# Altium PCB MB1261.PcbDoc (part 2 of 6) (continued)
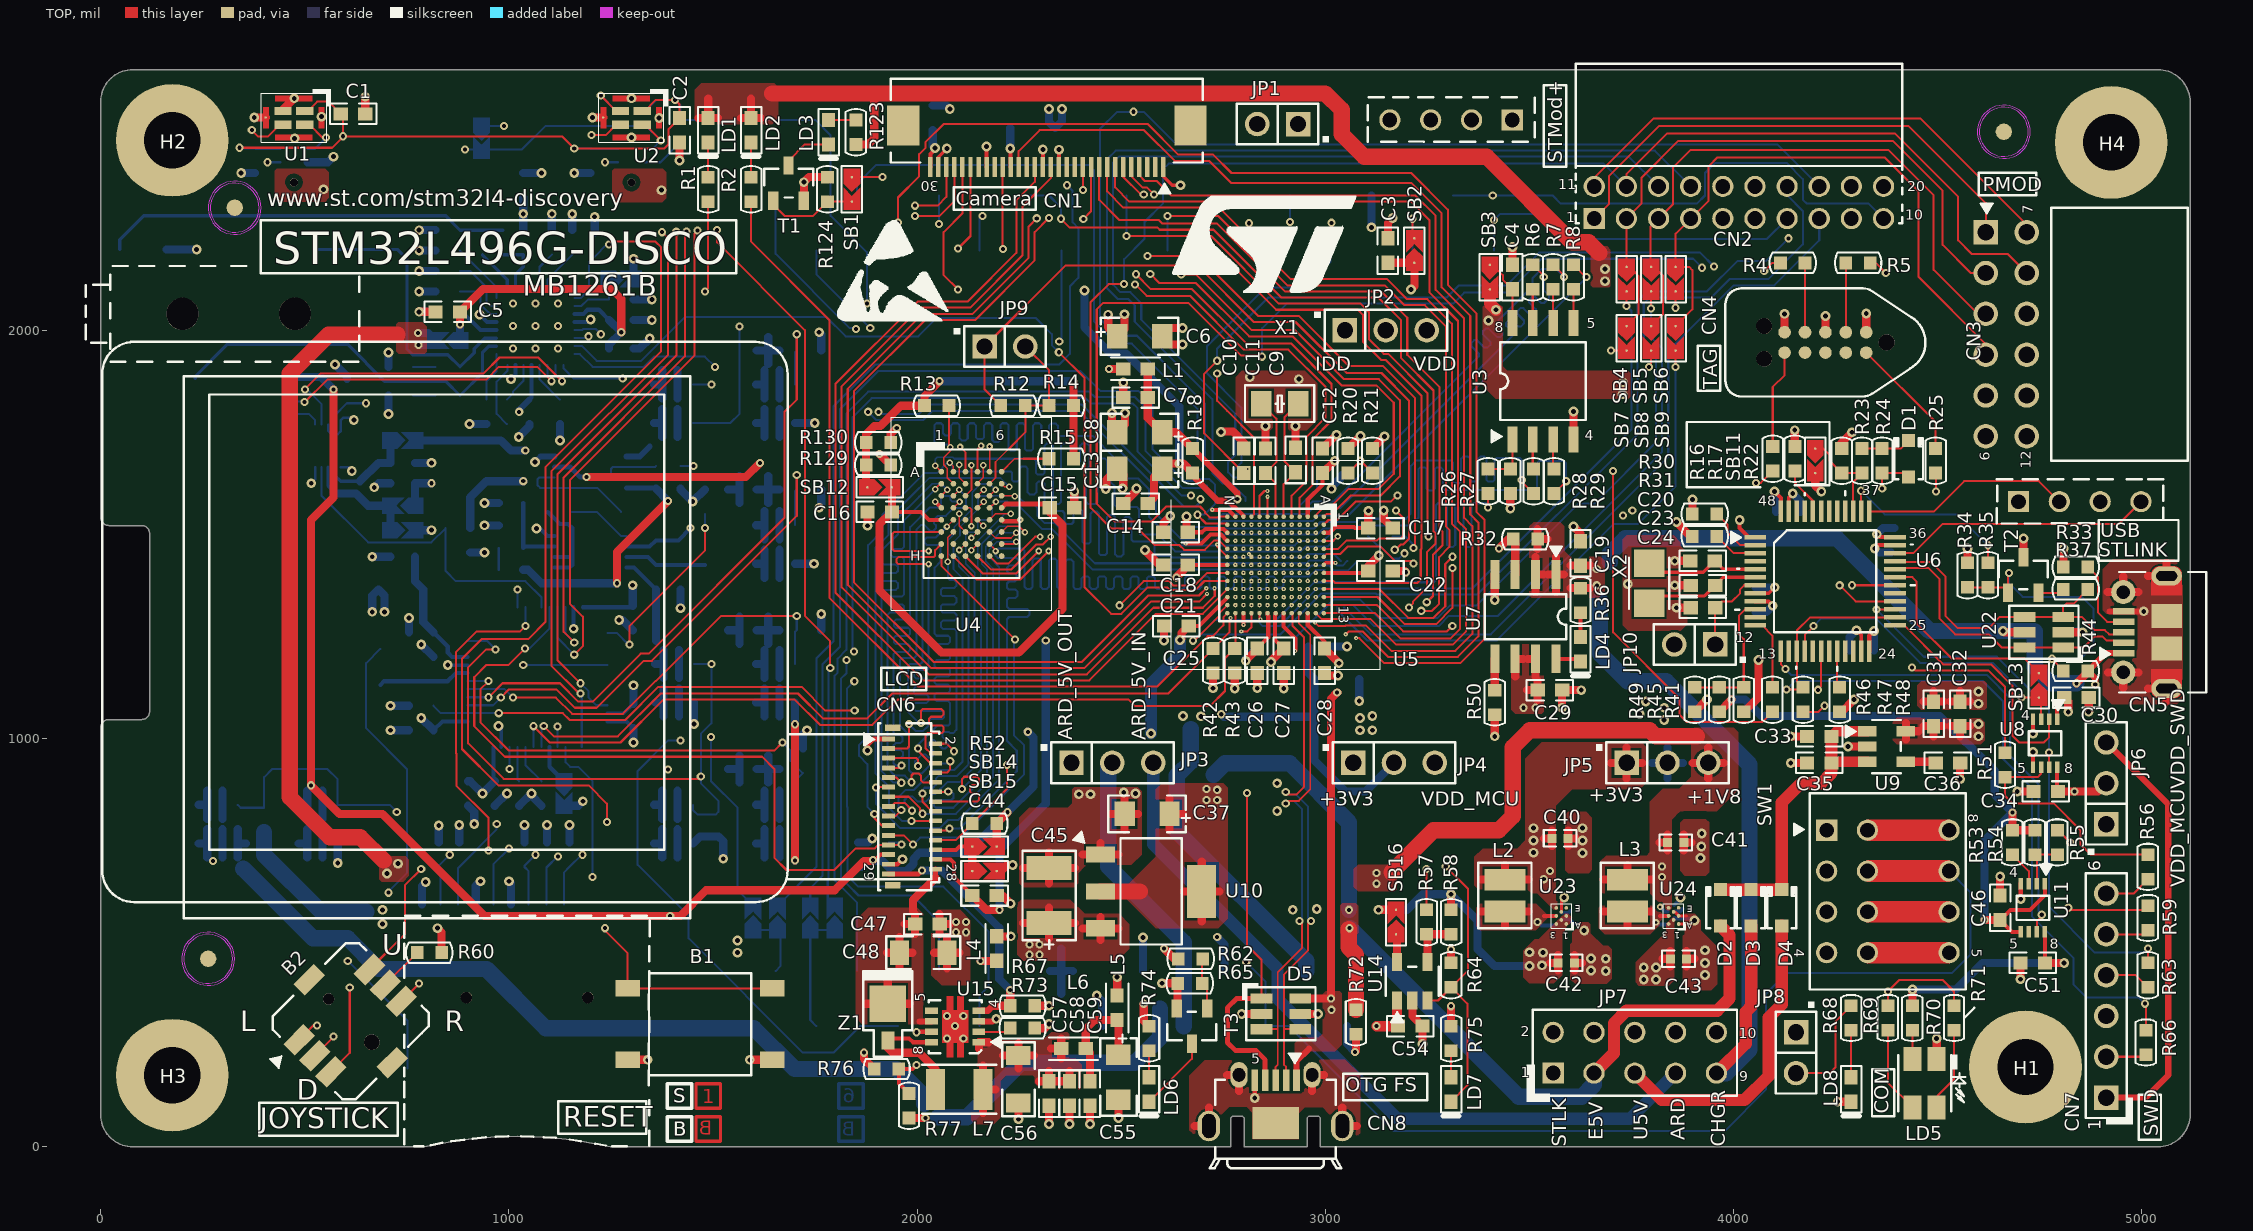
[diagram p0: TOP view]
## Nets (pads, with @x,y where several pads share a name; then routed paths per layer and width w, separated by ;. In a path a pad name is that pad's centre, name@x,y a point inside that pad or via, vN(x,y) a via of type N, cw(c..) or ccw(c..) an arc to the next point about the centre after c; other vN are vias at no path point) (continued)
  BOTTOM w40: 349,681 520,510 605,510 680,435 945,435 1090,290 1600,290 1700,190 1950,190 2017,123 2017,105 ; 2052,72 2122,72 2255,205 2533.1,205 2595,266.9 2595,338
  other v1: 3535,655 3550,675
  other v2: 3510,720 3510,750 3510,780 3685,2120 3685,2150
3V3_SW: L2.1 U12.A1 U23.C3 | length 227.1
  TOP w9: 3535,565 U23.C3@3565.82,565
  TOP w20: 3381.98,576 L2.1@3440,576 ; 3440,541.48 L2.1@3440,576 ; 3498.02,576 L2.1@3440,576
  BOTTOM w9: v1(3520,550) 3528.62,541.38 U12.A1@3562.13,541.38
5V_STL: D1.1 R24.2 SW1.3 | length 1293.9
  TOP w5: v1(4364.1,1611.9) R24.2@4364.1,1650 4419.81,1650 D1.1@4429.1,1640.71
  L3_SIG w4: SW1.3@4228.1,575 4228.1,596.9 4115,710 4115,1055 4230,1170 4230,1270 4320,1360 4320,1567.8 v1(4364.1,1611.9)
5V_USB_CHARGER: C19.2 C105.1 CN5.1 D3.1 JP7.9 R32.1 R36.2 R44.1 U7.1 U7.2 U22.5 | length 3826.6
  TOP w15: v1(4886,1132) 4886,1147.1 R44.1@4868.1,1165 4911.92,1208.82 CN5.1@4955.7,1208.82
  TOP w20: 3515,1358.38 U7.2@3515,1401.4 ; 3515,1444.42 U7.2@3515,1401.4 ; 3520,1464.08 R32.1@3520,1488.1 ; 3520,1512.12 R32.1@3520,1488.1 ; 3534.02,1401.4 U7.2@3515,1401.4 ; 3543.52,1488.1 R32.1@3520,1488.1 ; 3545.98,1401.4 U7.1@3565,1401.4 ; 3565,1358.38 U7.1@3565,1401.4 ; 3565,1444.42 U7.1@3565,1401.4 ; 3584.02,1401.4 U7.1@3565,1401.4 ; 3600.98,1368.1 R36.2@3625,1368.1 3649.02,1368.1 ; 3600.98,1423.1 C19.2@3625,1423.1 3649.02,1423.1 ; v2(4660,1263) 4663,1260 U22.5@4712.76,1260 ; v1(4840,1135) 4868.1,1163.1 R44.1@4868.1,1165
  TOP w30: JP7.9@3958.1,180 4030,251.9 4030,329.9 4043.1,343 D3.1@4043.1,540.71
  BOTTOM w40: 3673,1340 3673,1207 3740,1140 3835,1140 4039,936 4039,237 3982,180 JP7.9@3958.1,180 ; 3697,1432 3697,1452 3735,1490 4253,1490 4480,1263 v2(4660,1263) 4737,1263 C105.1@4738,1262 4738,1174 4777,1135 v1(4840,1135)
  other v1: 3665,1375 3665,1415
+3V3_ST_LINK: C30.2 C31.1 C32.1 C51.2 C86.1 C87.1 C92.1 C96.1 CN14.1 R41.1 R70.1 SB11.1 T2.3 U6.1 U6.9 U6.24 U6.36 U6.48 U8.1 U9.5 U11.8 | length 1723.1
  TOP w10: v2(4015,1535) 4015,1515 4036.73,1493.27 U6.1@4052.84,1493.27 ; U6.9@4052.84,1335.79 4085.21,1335.79 v2(4096,1325) ; v2(4100,1605) 4115.83,1589.17 U6.48@4115.83,1556.26 ; U6.24@4332.37,1213.74 4332.37,1251.37 v2(4344.1,1263.1) ; v2(4351,1500) 4357.73,1493.27 U6.36@4395.36,1493.27 ; U11.8@4762.63,525.94 4762.63,450.47 C51.2@4763.1,450 ; U8.1@4792.63,1047.06 4792.63,1077.63 C30.2@4810,1100
  TOP w20: R41.1@4025,1065 4061,1100 v2(4061,1192) ; SB11.1@4200,1650 4200,1620 v2(4215,1605) ; 4422.24,996.88 U9.5@4422.24,1017.4 ; 4422.24,1037.92 U9.5@4422.24,1017.4 ; R70.1@4438.1,345 v2(4438.1,385) ; 4452.76,1017.4 U9.5@4422.24,1017.4 ; 4465.98,1030 C31.1@4490,1030 ; 4490,1004.48 C31.1@4490,1030 ; 4514.02,1030 C31.1@4490,1030 ; 4530.98,1030 C32.1@4555,1030 ; 4555,1004.48 C32.1@4555,1030 ; 4579.02,1030 C32.1@4555,1030 ; T2.3@4710,1443.31 v2(4710,1490) ; C51.2@4763.1,450 v2(4810,450) ; C30.2@4810,1100 4820,1090 v2(4820,1065)
  L4_VCC w20: 4664.08,1580 CN14.1@4698.1,1580 ; 4698.1,1545.98 CN14.1@4698.1,1580 ; 4698.1,1614.02 CN14.1@4698.1,1580 ; 4732.12,1580 CN14.1@4698.1,1580
  BOTTOM w20: C92.1@4054.1,1310 4081,1310 v2(4096,1325) ; v2(4100,1605) 4104.1,1600.9 C86.1@4104.1,1555 ; C96.1@4344.1,1215 v2(4344.1,1263.1) ; v2(4351,1500) 4366,1515 C87.1@4394.1,1515 ; v2(4438.1,385) 4545,385 4610,450 v2(4810,450)
  other v2: 4600,1005 4600,1035
+5V: C42.1 C43.1 CN2.6 CN2.15 JP3.1 JP7.2 JP7.4 JP7.6 JP7.8 JP7.10 JP8.1 L5.1 R58.1 R115.1 R116.2 SB16.1 SW1.6 T10.4 U12.A2 U12.B1 U12.C1 U12.D1 U12.D2 U13.A2 U13.B1 U13.D1 U23.A1 U23.A3 U23.B2 U23.C1 U24.A3 U24.B2 | length 3451.1
  TOP w20: L5.1@2490,370 v2(2490,415) ; v2(3130,580) SB16.1@3173.1,580 3180,580 ; R58.1@3308.1,580 v2(3308.1,618.1) ; 3550.98,450 C42.1@3570,450 ; 3570,430.98 C42.1@3570,450 ; 3570,469.02 C42.1@3570,450 ; 3825.98,460 C43.1@3845,460 ; 3845,440.98 C43.1@3845,460 ; 3845,479.02 C43.1@3845,460
  L3_SIG w40: 730,530 775,485 1310,485 1350,525 1435,525 1465,495 1535,495
  L4_VCC w20: 2340.08,940 JP3.1@2378.1,940 ; 2378.1,901.98 JP3.1@2378.1,940 ; 2378.1,978.02 JP3.1@2378.1,940 ; 2416.12,940 JP3.1@2378.1,940 ; 3524.08,280 JP7.2@3558.1,280 ; 3558.1,245.98 JP7.2@3558.1,280 ; 3558.1,314.02 JP7.2@3558.1,280 ; 3592.12,280 JP7.2@3558.1,280 ; 3624.08,280 JP7.4@3658.1,280 ; 3658.1,245.98 JP7.4@3658.1,280 ; 3658.1,314.02 JP7.4@3658.1,280 ; 3692.12,280 JP7.4@3658.1,280 ; 3724.08,280 JP7.6@3758.1,280 ; 3758.1,245.98 JP7.6@3758.1,280 ; 3758.1,314.02 JP7.6@3758.1,280 ; 3792.12,280 JP7.6@3758.1,280 ; 3824.08,280 JP7.8@3858.1,280 ; 3858.1,245.98 JP7.8@3858.1,280 ; 3858.1,314.02 JP7.8@3858.1,280 ; 3892.12,280 JP7.8@3858.1,280 ; 3924.08,280 JP7.10@3958.1,280 ; 3939.71,2352.16 CN2.15@3973.73,2352.16 ; 3958.1,245.98 JP7.10@3958.1,280 ; 3958.1,314.02 JP7.10@3958.1,280 ; 3973.73,2318.14 CN2.15@3973.73,2352.16 ; 3973.73,2386.18 CN2.15@3973.73,2352.16 ; 3992.12,280 JP7.10@3958.1,280 ; 4007.75,2352.16 CN2.15@3973.73,2352.16 ; 4018.45,2273.42 CN2.6@4052.47,2273.42 ; 4052.47,2239.4 CN2.6@4052.47,2273.42 ; 4052.47,2307.44 CN2.6@4052.47,2273.42 ; 4086.49,2273.42 CN2.6@4052.47,2273.42 ; 4115.08,280 JP8.1@4153.1,280 ; 4153.1,241.98 JP8.1@4153.1,280 ; 4153.1,318.02 JP8.1@4153.1,280 ; 4191.12,280 JP8.1@4153.1,280 ; 4494.08,575 SW1.6@4528.1,575 ; 4528.1,609.02 SW1.6@4528.1,575 ; 4562.12,575 SW1.6@4528.1,575
  BOTTOM w20: T10.4@1450.5,742.76 1467.74,760 R116.2@1513.1,760 1525,748.1 v2(1525,705) ; v2(3130,580) 3200,580 3238.1,618.1 v2(3308.1,618.1) 3372.5,553.7 3372.5,483.5 3414,442 v2(3500,442)
  BOTTOM w40: R115.1@400,770 400,715 540,575 650,575
  other v2: 3780,409 3810,409 3780,439 3810,439 3531,444 1560,475 3533,475 3500,476 1560,505 690,545 690,580
AGND: C5.2 C64.2 C65.2 C66.1 C68.1 C69.1 C70.1 C72.2 C77.2 C79.1 CN12.3 R80.2 R81.2 R86.2 R90.2 U18.7 U18.13 | length 726.8
  TOP w20: v2(780,2045) C5.2@820,2045
  BOTTOM w9: v2(928.1,2038.1) 946.36,2019.84 U18.13@969.72,2019.84
  BOTTOM w10: v2(1005,1880) 1015.79,1890.79 U18.7@1015.79,1914.72
  BOTTOM w20: CN12.3@160.63,2197.48 v2(235,2197.48) ; v2(705,1795) R90.2@705,1840 ; R86.2@705,1910 v2(705,1945) ; v2(780,2045) C72.2@820,2045 ; v2(780,2095) C70.1@820,2095 ; v2(780,2145) C69.1@820,2145 ; v2(780,2195) C68.1@820,2195 ; v2(780,2245) R81.2@820,2245 ; v2(903,1770) C79.1@945,1770 ; v2(1024,1738.65) 1025,1739.65 1025,1740 1050,1765 C77.2@1050,1770 ; C66.1@1035,2245 v2(1035,2285) R80.2@1035,2325 ; C65.2@1105,2245 v2(1105,2285) ; C64.2@1155,2245 v2(1155,2284.9)
AIN_1: R41.2 R45.1 R49.1 U6.10 | length 346.5
  TOP w5: R49.1@3905,1125 R45.1@3965,1125 R41.2@4025,1125 4025,1243 4013,1255 4013,1300 4029.1,1316.1 U6.10@4052.84,1316.1
AMP_5V: C83.2 R105.2 T10.1 T10.2 T10.5 T10.6 U19.8 | length 1587.6
  TOP w20: v1(1265,1380) 1265,1456.9 v1(1390,1581.9)
  L3_SIG w20: v1(1390,924) v1(1390,1581.9)
  BOTTOM w12: U19.8@1287.99,1613.51 1358.39,1613.51 C83.2@1360,1611.9
  BOTTOM w20: R105.2@1035,1413.1 1046.9,1413.1 1080,1380 v1(1265,1380) ; 1355.18,742.76 T10.6@1375.7,742.76 ; 1355.18,837.24 T10.1@1375.7,837.24 ; C83.2@1360,1611.9 v1(1390,1581.9) ; 1375.7,708.24 T10.6@1375.7,742.76 ; 1375.7,777.28 T10.6@1375.7,742.76 ; 1375.7,802.72 T10.1@1375.7,837.24 ; 1375.7,871.76 T10.1@1375.7,837.24 ; 1413.1,708.24 T10.5@1413.1,742.76 1413.1,777.28 ; 1413.1,802.72 T10.2@1413.1,837.24 1413.1,871.76
AMP_VDD: C90.1 T8.1 T8.2 T8.5 T8.6 U20.8 | length 537.8
  BOTTOM w10: U20.8@1287.99,1418.51 1306.49,1418.51 C90.1@1360,1365
  BOTTOM w20: 1358.28,1087.76 T8.6@1378.8,1087.76 ; 1358.28,1182.24 T8.1@1378.8,1182.24 ; C90.1@1360,1365 1360,1240 1361,1239 ; 1378.8,1053.24 T8.6@1378.8,1087.76 ; 1378.8,1122.28 T8.6@1378.8,1087.76 ; 1378.8,1147.72 T8.1@1378.8,1182.24 ; 1378.8,1216.76 T8.1@1378.8,1182.24 ; 1416.2,1053.24 T8.5@1416.2,1087.76 1416.2,1122.28 ; 1416.2,1147.72 T8.2@1416.2,1182.24 1416.2,1216.76
ARD_5V: CN15.5 JP3.2 | length 725.9
  BOTTOM w40: JP3.2@2478.1,940 2468,929.9 2468,686 2653.1,500.9 CN15.5@2653.1,295
ARD_A0: CN16.1 U5.H5 | length 3034.4
  L3_SIG w3.5: 2730,1546 2757,1519 2771,1519 2793.53,1496.47 2813.11,1496.47 2835.27,1474.31 2843.76,1474.31 2853.7,1464.37 v4(2858.41,1464.37)
  L3_SIG w4: v1(1846,1140) 1886,1180 1886,1222 1798,1310 1798,1723 1850,1775 1880,1775 v1(1905,1800) ; v1(2694,1586) 2694,1582 2730,1546
  BOTTOM w5: v1(1846,1140) 1828,1122 1828,832.78 1829,831.78 1829,664 1856,637 2064,637 2175,526 2175,393 2153.1,371.1 CN16.1@2153.1,295 ; v1(1905,1800) 1910,1795 2005,1795 2027.5,1817.5 2403.72,1817.5 2653.22,1568 2683,1568 2694,1579 v1(2694,1586)
ARD_A1: CN16.2 U5.J3 | length 3260.1
  L2_GND w3.5: v3(2838.82,1504.09) 2838.73,1504.09 2838.73,1505 2848.66,1514.93 2848.66,1598.34 2845,1602 2845,1606.9
  L2_GND w5: 2845,1606.9 2845,1617.42 2852.62,1625.04 v5(2853.12,1625.04)
  L3_SIG w4: v1(1827,1192) 1827,1211 1733,1305 1733,1309 1665,1377 1665,1849 1851,2035 2045,2035 2065,2015 2340.12,2015 2410.12,1945 2541.24,1945 2601.24,1885 2637.04,1885 2839,1683.04 2839,1682.78 2847.78,1674 2851.13,1670.67 2851.13,1627.03 v5(2853.12,1625.04)
  BOTTOM w5: v1(1827,1192) 1827,1160 1813,1146 1813,658.23 1829.67,641.55 1856.22,615 1989,615 2053.1,550.9 CN16.2@2053.1,430
ARD_A2: CN16.3 U5.K1 | length 4057.3
  TOP w5: v1(2735,1894) 2735,1827 2747,1815 2759.49,1802.5 2825,1737 2825,1549.07 U5.K1@2819.04,1543.11
  L3_SIG w4: v1(1420,995) 1420,1220 1445,1245 1445,1380 1410,1415 1410,1640 1395,1655 1395,1835 1495,1935 1520,1935 1693,2108 2062,2108 2095,2075 2365.02,2075 2433.02,2007 2564.14,2007 2626.14,1945 2684,1945 v1(2735,1894)
  BOTTOM w5: v1(1420,995) 1390,995 1315,920 1315,690 1440,565 1440,510 1720,230 1795,230 1860,295 CN16.3@1953.1,295
ARD_A3: CN16.4 U5.H4 | length 2691.6
  L3_SIG w3.5: 2758,1570 2758,1569.59 2802.59,1525 2823.13,1525 2858.41,1489.72 2858.41,1484.08 v4(2858.45,1484.04)
  L3_SIG w4: v5(2727.11,1622.06) 2735,1614.17 2735,1593 2758,1570
  L5_GND w5: v7(2710,1620) 2711,1621 2724.8,1621 2725,1621.2 2726.25,1621.2 v5(2727.11,1622.06)
  BOTTOM w5: CN16.4@1853.1,430 1853.1,596.9 1798,652 1798,1153.66 1805,1160.66 1805,1195.5 1826.5,1217 1826.5,1795.75 1880.14,1849.39 2421.96,1849.39 2435,1836.35 2533.52,1836.35 2559.07,1810.8 2559.07,1704.58 2650.65,1613 2703,1613 v7(2710,1620)
ARD_A4: SB26.1 U5.N2 | length 2571.2
  TOP w5: v1(2687,1547.89) 2687,1547 2707.5,1526.5 2756.92,1526.5 U5.N2@2759.99,1523.43
  BOTTOM w5: SB26.1@1738.1,590 1738.1,633.1 1768,663 1768,1181.74 1811,1224.74 1811,1806 1905,1900 2400,1900 2448.61,1851.39 2541.61,1851.39 2576,1817 2576,1708.88 2654.89,1629.99 2687.21,1629.99 2692.22,1635 2703.78,1635 2716.21,1635.01 2730,1621.22 2730,1575 2702.89,1547.89 v1(2687,1547.89)
ARD_A5: SB28.1 U5.J2 | length 3095.8
  L2_GND w3.5: 2833,1601 2838.73,1595.27 v3(2838.73,1523.43)
  L2_GND w5: 2833,1601 2830,1604 2830,1631.12 2840,1641.12 2865.63,1641.12 v5(2866.13,1641.62)
  L3_SIG w4: v1(1495,1003) 1495,1010 1567,1082 1567,1882 1733,2048 2054.08,2048 2075.08,2027 2345.1,2027 2415.1,1957 2546.22,1957 2606.22,1897 2642.02,1897 2829.03,1709.99 2858.89,1709.99 2861.88,1710 2873,1698.88 2873,1648.49 v5(2866.13,1641.62)
  BOTTOM w5: v1(1495,1003) 1495,895 1560,830 1560,628.1 SB28.1@1598.1,590
ARD_D0: CN11.1 U5.H9 | length 2740.1
  L3_SIG w3.5: v4(2858.41,1385.63) 2858.41,1379.73 2848.66,1369.98 2848.66,1368.66 2848.48,1368.48 2848.48,1343.52 2912,1280 2919,1280
  L3_SIG w4: v1(1850,2003) 1870,2023 1896,2023 1982,1937 1982,1716 1859,1593 1859,1358 2167,1050 2593,1050 2628,1015 2752.08,1015 2852.1,1115.02 2852.1,1128.12 2912,1188.02 2912,1200.5 2925.9,1214.4 2925.9,1273.1 2919,1280
  BOTTOM w5: CN11.1@1653.1,2330 1653.1,2186.9 1835,2005 1848,2005 v1(1850,2003)
ARD_D1: CN11.2 U5.H10 | length 2515.4
  L3_SIG w3.5: v4(2858.41,1365.94) 2858.41,1344.2 2913.03,1289.58 2920.74,1289.58 2936.7,1273.62 2936.7,1270.3
  L3_SIG w4: v1(1885,2005) 1970,1920 1970,1723 1845,1598 1845,1355 2162,1038 2584,1038 2621,1001 2755.06,1001 2864.1,1110.04 2864.1,1123.14 2924,1183.04 2924,1194.98 2935.5,1206.48 2935.5,1213.48 2936.7,1214.68 2936.7,1270.3
  BOTTOM w5: CN11.2@1753.1,2195 1753.1,2136.9 v1(1885,2005)
ARD_D2: CN11.3 U5.G7 | length 1827.3
  L3_SIG w3.5: 2740,1570 2772,1538 2778.98,1538 2802.98,1514 2823.52,1514 2848.69,1488.83 2848.69,1479.99 2854.56,1474.12 2862.45,1474.12 2868.35,1468.22 2868.35,1440.65 2878.1,1430.9 v4(2878.1,1425)
  L3_SIG w4: v5(2688,1672) 2696,1664 2696,1629.98 2723,1602.98 2723,1587 2740,1570
  L5_GND w5: v7(2687,1690) 2688,1689 v5(2688,1672)
  BOTTOM w5: CN11.3@1853.1,2330 1853.1,2358.1 1900,2405 2420,2405 2433,2392 2433,2021.78 2487.78,1967 2526,1967 2687,1806 v7(2687,1690)
ARD_D3: CN11.4 U5.B12 | length 3267.4
  TOP w5: v1(1953.1,2264.1) 1953.1,2325 2005,2376.9 2005,2431 2020,2446 2020,2460 2065,2505 2565,2505 2640,2430 2725,2430 2770,2385 3210,2385 3300,2295 3300,2111.1 3370,2041.1 3370,1555 3390,1535 3390,1243.9 3330.6,1184.5 3144.5,1184.5 3083.44,1245.56 v3(3075.56,1245.56)
  L2_GND w3.5: v3(2978,1326.57) 2985.43,1326.57 3002,1310 3020,1310 3030,1300
  L2_GND w5: 3030,1300 3075,1255 3075,1246.12 v3(3075.56,1245.56)
  BOTTOM w5: CN11.4@1953.1,2195 v1(1953.1,2264.1)
ARD_D4: CN11.5 U5.C3 | length 2353.2
  L3_SIG w3.5: v4(2956.84,1503.74) 2956.84,1513.84 3013,1570
  L3_SIG w4: v1(2053.1,2260) 2119.1,2326 2440,2326 2476,2362 2606,2362 2781,2187 3256.02,2187 3368,2075.02 3368,1951 3252,1835 3150,1835 3106.52,1791.52 3106.52,1653.47 3028.05,1575 3018,1575 3013,1570
  BOTTOM w5: v1(2053.1,2260) CN11.5@2053.1,2330
ARD_D5: CN11.6 U5.D4 | length 2267
  L3_SIG w3.5: v4(2936,1484.84) 2938.5,1487.34 2938.5,1529.5 2979,1570
  L3_SIG w4: v1(2160,2280) 2194,2314 2446,2314 2482,2350 2598,2350 2773,2175 3251.04,2175 3356,2070.04 3356,1957 3249,1850 3143,1850 3065,1772 3065,1663 3032.98,1630.98 3004.1,1630.98 2989,1615.88 2989,1580 2979,1570
  BOTTOM w5: CN11.6@2153.1,2195 2153.1,2273.1 v1(2160,2280)
ARD_D6: CN11.7 U5.B9 | length 2099
  TOP w5: v1(2352,2273) 2374,2251 2589,2251 2594,2246 2726,2246 2892,2080 3130,2080 3185.6,2024.4 3185.6,1931.72 3265,1852.32 3265,1507.25 3270,1502.25 3270,1477.44 3248.7,1456.14 3248.7,1369.2 3215,1335.5 3215,1331 v1(3204.96,1320.96)
  L2_GND w3.5: v3(2976.53,1385.63) 3030,1385.63
  L2_GND w5: 3030,1385.63 3058.37,1385.63 3102,1342 v5(3102,1337)
  L3_SIG w3.5: v5(3102,1337) 3113.8,1325.2
  L3_SIG w4: 3113.8,1325.2 3118.04,1320.96 v1(3204.96,1320.96)
  BOTTOM w5: CN11.7@2253.1,2330 2323,2330 2352,2301 v1(2352,2273)
ARD_D7: CN11.8 U5.G11 | length 2642.5
  L2_GND w3.5: v3(2878.1,1346.26) 2888,1336.36 2888,1296.91 2888.04,1296.87 2888.04,1294.86 2898.2,1284.7 2898.2,1256.8 2909.1,1245.9 v5(2910.8,1245.9)
  L3_SIG w3.5: 2900,1208.5 2895,1213.5 2895,1230.1 v5(2910.8,1245.9)
  L3_SIG w4: v1(2348,1972) 2320,2000 2100,2000 1994,1894 1994,1709 1898,1613 1898,1513 1880,1495 1880,1357 2172,1065 2602,1065 2638,1029 2749,1029 2811,1091 2811,1131 2832,1152 2859,1152 2900,1193 2900,1208.5
  BOTTOM w5: v1(2348,1972) 2353.1,1977.1 CN11.8@2353.1,2195
ARD_D8: CN10.1 U5.C6 | length 1711
  TOP w5: v1(2513.1,2231) 2719.78,2231 2885.78,2065 3086.22,2065 3107,2044.22 3107,1978 3143,1942 3154.1,1942 3250,1846.1 3250,1497.5 v1(3252.5,1495)
  L3_SIG w3.5: v4(2956.84,1444.69) 2967.69,1444.69 2984,1461 3103,1461 3132,1490
  L3_SIG w4: 3132,1490 3133,1491 3199,1491 3213,1505 3242.5,1505 v1(3252.5,1495)
  BOTTOM w5: v1(2513.1,2231) CN10.1@2513.1,2330
ARD_D9: CN10.2 U5.C9 | length 1945.4
  TOP w5: v1(2613.1,2280) 2737,2280 2907,2110 3145,2110 3193.78,2061.22 3243.78,2061.22 3295,2010 3295,1519.69 3304,1510.69 3304,1469 3278.7,1443.7 3278.7,1329.92 3261.28,1312.5 v1(3235,1312.5)
  L2_GND w3.5: v3(2956.84,1385.63) 2966.59,1375.88 3025.12,1375.88
  L2_GND w5: 3025.12,1375.88 3027.85,1375.88 3037.73,1366 3059,1366 3080,1345 v5(3080,1340)
  L3_SIG w3.5: v5(3080,1340) 3080,1339 3093.8,1325.2
  L3_SIG w4: 3093.8,1325.2 3118,1301 3223.5,1301 v1(3235,1312.5)
  BOTTOM w5: CN10.2@2613.1,2195 v1(2613.1,2280)
ARD_D10: CN10.3 U5.A9 | length 1528.2
  TOP w5: v1(2713.1,2210) 2719.56,2210 2879.56,2050 3080,2050 3092,2038 3092,1971.78 3136.78,1927 3147.88,1927 3235,1839.88 3235,1463.66 3233.7,1462.36 3233.7,1389 3225.64,1380.94 3024.06,1380.94 3019.37,1385.63 U5.A9@2996.21,1385.63
  BOTTOM w5: v1(2713.1,2210) CN10.3@2713.1,2330
ARD_D11: CN10.4 U5.B5 | length 1938.7
  L2_GND w3.5: v3(2976.53,1464.37) 2993.37,1464.37 3002.25,1473.25 3050.25,1473.25 3064,1487 3064,1517 v5(3059,1522)
  L3_SIG w3.5: v5(3059,1522) 3059,1538.03 3070.27,1549.3
  L3_SIG w4: v1(2813.1,2261.9) 2827,2248 2928,2248 3047,2367 3406,2367 3490,2283 3490,1915 3220,1645 3165.97,1645 3070.27,1549.3
  BOTTOM w5: CN10.4@2813.1,2195 v1(2813.1,2261.9)
ARD_D12: CN10.5 U5.A5 | length 1923.2
  TOP w5: U5.A5@2996.21,1464.37 3031.37,1464.37 3052,1485 3127,1485 3132,1490 3185,1490 3190,1495 3190,1541 v1(3173,1558)
  L3_SIG w4: v1(2913.1,2265) 2913.1,2265.1 3030,2382 3412,2382 3505,2289 3505,1910 3225,1630 3185,1630 3160,1605 3160,1571 v1(3173,1558)
  BOTTOM w5: v1(2913.1,2265) CN10.5@2913.1,2330
ARD_D13: CN10.6 SB1.2 U5.K4 | length 2401.3
  TOP w5: SB1.2@1840,2375 v1(1915,2375)
  L2_GND w3.5: 2736.67,1570 2736.67,1563.33 2766,1534 2766,1523 2775.32,1513.68 2783.71,1513.68 2789.61,1507.78 2789.61,1499 2794.61,1494 2809.1,1494 v3(2819.04,1484.06)
  L2_GND w5: 2736.67,1570 2736.67,1592.27 2734.5,1594.44 2734.5,1607.5 2756.5,1629.5 2756.5,1631.43 2763.98,1638.91 v5(2763.98,1645)
  L3_SIG w4: v1(1915,2375) 2000,2375 2037,2338 2376,2338 2424,2386 2669,2386 2689,2366 2689,2318.98 2796.98,2211 2963.03,2211 v1(3015,2262.97)
  L5_GND w5: v5(2763.98,1645) v7(2777,1658)
  BOTTOM w5: v7(2777,1658) 2794.26,1675.26 2794.26,1809.99 2710,1894.25 2710,1961 2854,2105 2950,2105 3013.1,2168.1 CN10.6@3013.1,2195 3013.1,2261.07 v1(3015,2262.97)
ARD_D14: CN2.10 CN10.9 SB25.1 U5.D5 | length 6328.4
  TOP w5: v1(1510,2245) 1510,2215 1725,2000 1725,1300 1787,1238 v1(1787,1172)
  L3_SIG w3.5: v4(2937.16,1464.37) 2940.76,1464.37 2949.39,1473 2960,1473 2986,1499 2996,1499 3021.25,1524.25 3021.25,1526.29 3034.48,1539.52 3043.51,1539.52 3053.29,1549.3
  L3_SIG w4: v1(1510,2245) 1510,2310 1616,2416 2682,2416 2719,2379 2719,2325 2808,2236 2935,2236 3049,2350 3390,2350 v1(3410,2330) 3435,2305 3435,2185 3465,2155 3465,1910 3213,1658 3161.99,1658 3053.29,1549.3
  BOTTOM w5: v1(1787,1172) 1783,1168 1783,656.78 1781,654.78 1781,607.1 SB25.1@1798.1,590 ; CN10.9@3313.1,2330 v1(3410,2330) 3557,2330 3577,2310 3910,2310 3930,2330 3930,2385 3955,2410 4130,2410 4170,2370 4170,2320 4180,2310 4330.85,2310 CN2.10@4367.43,2273.42
ARD_D15: CN2.7 CN10.10 SB27.1 U5.C4 | length 5491.1
  L3_SIG w3.5: v4(2956.84,1484.06) 2982.78,1510 2994,1510 3010,1526 3010,1530 3030,1550
  L3_SIG w4: v1(2367,2355) 2412,2400 2676,2400 2704,2372 2704,2323 2803,2224 2944,2224 3055,2335 3375,2335 3413.1,2296.9 v1(3413.1,2269.9) 3413.1,2181.9 3450,2145 3450,1915 3210,1675 3162.01,1675 3038.01,1551 3031,1551 3030,1550
  BOTTOM w5: SB27.1@1658.1,590 1753,684.9 1753,1195.74 1795,1237.74 1795,1814 1897,1916 2348,1916 2374,1942 2374,2107 2395,2128 2395,2250 2381,2264 2381,2341 v1(2367,2355) ; CN10.10@3413.1,2195 v1(3413.1,2269.9) 3428.2,2285 3530,2285 3592,2223 4080.79,2223 CN2.7@4131.21,2273.42
AUDIO_RST: R83.2 U5.F11 U18.25 | length 4546.2
  TOP w5: v1(1240,795) 1240,840 1195,885 974,885 885,974 885,1195 934,1244 1048,1244 1089,1285 1089,1664 1373,1948 1373,2203 1359,2217 1252,2217 v1(1245,2210)
  L3_SIG w3.5: v4(2898.23,1345.44) 2898.23,1345.77 2928.5,1315.5 2966.15,1315.5 2993.02,1288.63 2993.02,1275
  L3_SIG w4: v1(1240,795) 1253,808 1791.96,808 1898.96,915 2041,915 2058,898 2174,898 2262,810 2591,810 2711.5,930.5 2806.5,930.5 2995.5,1119.5 2995.5,1193.54 3010,1208.04 3010,1258.02 2993.02,1275
  BOTTOM w5: U18.25@1160.28,2078.9 1175.8,2078.9 1195.9,2099 1195.9,2165.9 R83.2@1210,2180 1240,2210 v1(1245,2210)
BLGND: C47.2 C48.2 C55.2 C56.2 C57.2 C58.2 C59.2 L4.2 R67.2 R73.2 R76.2 U15.3 U15.9 | length 641.2
  TOP w15: U15.3@2151.17,306.8 2184.9,306.8 2190.99,312.89 v2(2193.67,312.89)
  TOP w20: v1(1870,230) 1870,215 R76.2@1895,190 ; 2041.98,475 C48.2@2073,475 ; 2055,520.98 C47.2@2055,545 ; 2055,569.02 C47.2@2055,545 ; 2073,436.98 C48.2@2073,475 ; 2073,513.02 C48.2@2073,475 ; 2080.52,545 C47.2@2055,545 ; 2104.02,475 C48.2@2073,475 ; v1(2155,455) L4.2@2195,455 ; v2(2248.1,67) C56.2@2248.1,107 ; R73.2@2288.1,290 2313.1,290 v2(2323.1,300) ; R67.2@2288.1,345 v2(2323.1,345) ; v2(2323.1,55) C57.2@2323.1,100 ; v2(2373.1,55) C58.2@2373.1,100 ; v2(2423.1,55) C59.2@2423.1,100 ; v2(2493.1,70) C55.2@2493.1,115
  other v1: 2073.1,265 2113.1,265 2093.1,295 2073.1,320 2113.1,320 2095,525 2120,525 2095,550 2120,550
BOOT0: R20.2 R21.2 U5.E5 | length 381.3
  TOP w5: R20.2@3055,1650 3056,1650 v1(3086,1680) 3115,1651 R21.2@3115,1650
  L3_SIG w3.5: v4(2917.47,1464.37) 2927.41,1474.31 2939.26,1474.31 2947,1482.05 2947,1521 2996,1570
  L3_SIG w4: 2996,1570 3016,1590 3022,1590 3086,1654 v1(3086,1680)
CAL: R94.1 T6.3 U21.3 | length 1260.3
  TOP w5: v1(980,1100) 1000,1120 1116.22,1120 1161.22,1075 1215,1075 1330,1190 1350,1190 1705,1545 v1(1705,1645)
  BOTTOM w5: U21.3@898.74,1081.1 961.1,1081.1 v1(980,1100) ; T6.3@1700.5,1522.24 1700.5,1605.5 R94.1@1705,1610 v1(1705,1645)
CAL_D: R95.2 T6.1 T6.2 T6.5 T6.6 T7.4 T9.4 U19.3 | length 2070.9
  TOP w20: v1(1190,1640) 1580,1640 v1(1615,1675) ; v1(1700.5,701.26) v1(1700.5,1034.5)
  L3_SIG w20: v1(1615,1675) 1615,1220 1700.5,1134.5 v1(1700.5,1034.5)
  BOTTOM w12: U19.3@1112.01,1664.7 1150.3,1664.7 1175,1640 v1(1190,1640)
  BOTTOM w20: 1605.18,1427.76 T6.6@1625.7,1427.76 ; 1605.18,1522.24 T6.1@1625.7,1522.24 ; 1606.98,1610 R95.2@1635,1610 ; 1625.7,1393.24 T6.6@1625.7,1427.76 ; 1625.7,1462.28 T6.6@1625.7,1427.76 ; 1625.7,1487.72 T6.1@1625.7,1522.24 ; 1625.7,1556.76 T6.1@1625.7,1522.24 ; 1635,1576.98 R95.2@1635,1610 ; 1635,1643.02 R95.2@1635,1610 ; 1663.02,1610 R95.2@1635,1610 ; 1663.1,1393.24 T6.5@1663.1,1427.76 1663.1,1462.28 ; 1663.1,1487.72 T6.2@1663.1,1522.24 1663.1,1556.76 ; v1(1700.5,701.26) T9.4@1700.5,742.76 ; v1(1700.5,1034.5) T7.4@1700.5,1087.76
CAMERA_CLK: CN1.21 R100.1 | length 1799.6
  TOP w5: CN1.21@2209.4,2400 2209.4,2199.6 v1(2210,2199) ; v1(2564,2182) 2688,2182 2835,2035 2935,2035 3058,1912 3141.66,1912 3220,1833.66 3220,1469.72 v1(3216.28,1466)
  L3_SIG w4: v1(2210,2199) 2547,2199 v1(2564,2182)
  BOTTOM w5: R100.1@3165,1495 3195,1495 3216.28,1473.72 v1(3216.28,1466)
CKOUT: CN2.18 CN2.20 U1.3 U2.3 U5.J4 U16.4 U17.4 | length 5907.6
  TOP w5: v1(370,2490) 385,2475 410,2475 438.27,2503.27 U1.3@446.53,2503.27 ; v1(1202,2478) 1237,2478 1262.27,2503.27 U2.3@1273.22,2503.27
  L3_SIG w3.5: 2730,1563 2764,1529 2774,1529 2799.03,1503.97 2819.76,1503.97 2838.91,1484.82 v4@2838.91,1484.48
  L3_SIG w4: v1(408.66,2411.34) 370,2450 v1(370,2490) 547,2490 577,2520 846,2520 888,2478 v1(1202,2478) 1202,2444.34 v1(1235,2411.34) 1361.34,2411.34 1440,2490 1580.01,2490 1613.01,2523 2518,2523 v1(2530,2535) ; v5(2681,1631) 2681,1628 2711,1598 2711,1582 2730,1563 ; CN2.18@4209.95,2352.16 4252.79,2395 4324.59,2395 CN2.20@4367.43,2352.16
  L5_GND w5: v5(2681,1631) v7(2681,1645)
  BOTTOM w5: v1(408.66,2411.34) U17.4@440.13,2411.34 ; v1(1235,2411.34) U16.4@1266.82,2411.34 ; v7(2681,1645) 2705,1669 2705,1820 2538.61,1986.39 2489.61,1986.39 2448,2028 2448,2493 2490,2535 v1(2530,2535) 2555,2535 2635,2455 4107.11,2455 CN2.18@4209.95,2352.16
  other v4: 2838.94,1484.45
CTP_INT: CN13.2 R89.1 U5.G6 | length 4239.9
  L3_SIG w3.5: v4(2878.1,1444.69) 2888.03,1454.62 2901.83,1454.62 2907.72,1460.51 2907.72,1488.1 2920,1500.38 2920,1539
  L3_SIG w4: v1(650,1821) 706,1765 825,1765 936,1654 1076,1654 1168,1746 1168,2022 1286,2140 1325,2140 1353,2168 1494.04,2168 1565.04,2239 2064,2239 2075,2250 2460,2250 2480,2270 2575.96,2270 2669.96,2176 2733,2176 2760,2149 3241,2149 3332,2058 3332,1973 3234,1875 3127,1875 3007.11,1755.11 3007.11,1692.89 2991,1676.78 2991,1651.84 2965,1625.84 2965,1591 2959,1585 2959,1578 2920,1539
  BOTTOM w5: CN13.2@572.63,1768.59 572.63,1790.63 R89.1@603,1821 v1(650,1821)
D0: CN6.18 U4.B6 U5.K10 | length 2162.9
  TOP w4: U4.B6@2206.92,1623.82 2214.18,1616.56 v6(2225.56,1616.56)
  TOP w5: v1(1986,797.9) CN6.18@2044.44,797.9
  L3_SIG w3.5: 2803.98,1443 2805.43,1441.55 2825.59,1441.55 2832.2,1434.94 2862.26,1434.94 2868.16,1429.04 2868.16,1420.16 2863.06,1415.06 2854.37,1415.06 2848.66,1409.35 2848.66,1401.45 2842.59,1395.38 2834.69,1395.38 2828.75,1389.44 2828.75,1380.36 2819.04,1370.65 v4(2819.04,1365.96)
  L3_SIG w4: v6(2225.56,1616.56) 2224,1615 2224,1569 2229,1564 2258,1564 2267,1555 2267,1524 2283,1508 2283,1452.78 2293.78,1442 2331,1442 2362,1473 2535,1473 2539,1469 2539,1448 2545,1442 2759,1442 2760,1443 2803.98,1443
  BOTTOM w4: 2005,1613.44 2029.56,1638 2204.12,1638 v6(2225.56,1616.56)
  BOTTOM w5: v1(1986,797.9) 1962.66,797.9 1931,829.56 1931,881.22 1897.5,914.72 1897.5,1466.5 1930,1499 1930,1538.44 2005,1613.44
D1: CN6.17 U4.C5 U5.H11 | length 2013.9
  TOP w4: U4.C5@2177.39,1594.29 v6(2192,1608.9)
  TOP w5: CN6.17@1930.26,809.71 1946.34,809.71 v1(1960.97,824.34)
  L2_GND w3.5: v5(2753,1392) 2756.38,1395.38 2803.39,1395.38 2803.72,1395.05 2834.36,1395.05 2834.69,1395.38 2842.77,1395.38 2848.66,1389.49 2848.66,1356.01 v3(2858.41,1346.26)
  L3_SIG w3.5: 2654,1367 2728,1367 v5(2753,1392)
  L3_SIG w4: v6(2192,1608.9) 2211,1589.9 2211,1548 2219,1540 2219,1474.88 2229,1464.88 2229,1440 2214,1425 2214,1415.94 2272.94,1357 2468.98,1357 2479.98,1368 2515,1368 2538,1345 2632,1345 2654,1367
  BOTTOM w4: 2111,1390 2111,1392 2089,1414 2089,1440 2076,1453 2076,1486 2091,1501 2091,1518 2135,1562 2135,1603 2155,1623 2177.9,1623 v6(2192,1608.9)
  BOTTOM w5: v1(1960.97,824.34) 1954,831.31 1954,856 1971.88,873.88 1992.29,873.88 2041.39,922.98 2091.54,922.98 2111,942.44 2111,1390

## Text inside footprints (layer, text, board x,y; h text height)
T4: DXF_0731 "3" at 1632.1,1772.76 h16; DXF_0731 "2" at 1669.5,1772.76 h16; DXF_0731 "1" at 1706.9,1772.76 h16; DXF_0731 "5" at 1669.5,1867.24 h16; DXF_0731 "6" at 1706.9,1867.24 h16; DXF_0731 "4" at 1632.1,1867.24 h16; DXF_0731 "Creat : Jacky" at 1763.1,2050 h25; DXF_0731 "Sofer Lib Information" at 1793.1,2140 h25; DXF_0731 "Ref PN: RT9293BGJ6" at 1763.1,2090 h25; DXF_0731 "Date  : 2009-09-28" at 1763.1,2010 h25; DXF_0731 "Rev   : B2" at 1763.1,1970 h25; DXF_0731 "Remark: update pin size by Jacky" at 1763.1,1930 h25; DXF_0731 "Approved" at 1775.1,1820 h35; DXF_0731 "SOT23-6" at 1752.1,1685 h30
T5: DXF_0731 "3" at 1382.1,1772.76 h16; DXF_0731 "4" at 1382.1,1867.24 h16; DXF_0731 "6" at 1456.9,1867.24 h16; DXF_0731 "5" at 1419.5,1867.24 h16; DXF_0731 "2" at 1419.5,1772.76 h16; DXF_0731 "1" at 1456.9,1772.76 h16; DXF_0731 "Creat : Jacky" at 1513.1,2050 h25; DXF_0731 "Sofer Lib Information" at 1543.1,2140 h25; DXF_0731 "Ref PN: RT9293BGJ6" at 1513.1,2090 h25; DXF_0731 "Date  : 2009-09-28" at 1513.1,2010 h25; DXF_0731 "Rev   : B2" at 1513.1,1970 h25; DXF_0731 "Remark: update pin size by Jacky" at 1513.1,1930 h25; DXF_0731 "Approved" at 1525.1,1820 h35; DXF_0731 "SOT23-6" at 1502.1,1685 h30
T6: DXF_0731 "3" at 1632.1,1427.76 h16; DXF_0731 "2" at 1669.5,1427.76 h16; DXF_0731 "1" at 1706.9,1427.76 h16; DXF_0731 "5" at 1669.5,1522.24 h16; DXF_0731 "6" at 1706.9,1522.24 h16; DXF_0731 "4" at 1632.1,1522.24 h16; DXF_0731 "Creat : Jacky" at 1763.1,1705 h25; DXF_0731 "Sofer Lib Information" at 1793.1,1795 h25; DXF_0731 "Ref PN: RT9293BGJ6" at 1763.1,1745 h25; DXF_0731 "Date  : 2009-09-28" at 1763.1,1665 h25; DXF_0731 "Rev   : B2" at 1763.1,1625 h25; DXF_0731 "Remark: update pin size by Jacky" at 1763.1,1585 h25; DXF_0731 "Approved" at 1775.1,1475 h35; DXF_0731 "SOT23-6" at 1752.1,1340 h30
T7: DXF_0731 "4" at 1632.1,1182.24 h16; DXF_0731 "3" at 1632.1,1087.76 h16; DXF_0731 "6" at 1706.9,1182.24 h16; DXF_0731 "5" at 1669.5,1182.24 h16; DXF_0731 "2" at 1669.5,1087.76 h16; DXF_0731 "1" at 1706.9,1087.76 h16; DXF_0731 "Creat : Jacky" at 1763.1,1365 h25; DXF_0731 "Sofer Lib Information" at 1793.1,1455 h25; DXF_0731 "Ref PN: RT9293BGJ6" at 1763.1,1405 h25; DXF_0731 "Date  : 2009-09-28" at 1763.1,1325 h25; DXF_0731 "Rev   : B2" at 1763.1,1285 h25; DXF_0731 "Remark: update pin size by Jacky" at 1763.1,1245 h25; DXF_0731 "Approved" at 1775.1,1135 h35; DXF_0731 "SOT23-6" at 1752.1,1000 h30
T8: DXF_0731 "3" at 1385.2,1087.76 h16; DXF_0731 "4" at 1385.2,1182.24 h16; DXF_0731 "2" at 1422.6,1087.76 h16; DXF_0731 "1" at 1460,1087.76 h16; DXF_0731 "5" at 1422.6,1182.24 h16; DXF_0731 "6" at 1460,1182.24 h16; DXF_0731 "Creat : Jacky" at 1516.2,1365 h25; DXF_0731 "Sofer Lib Information" at 1546.2,1455 h25; DXF_0731 "Ref PN: RT9293BGJ6" at 1516.2,1405 h25; DXF_0731 "Date  : 2009-09-28" at 1516.2,1325 h25; DXF_0731 "Rev   : B2" at 1516.2,1285 h25; DXF_0731 "Remark: update pin size by Jacky" at 1516.2,1245 h25; DXF_0731 "Approved" at 1528.2,1135 h35; DXF_0731 "SOT23-6" at 1505.2,1000 h30
T9: DXF_0731 "4" at 1632.1,837.24 h16; DXF_0731 "3" at 1632.1,742.76 h16; DXF_0731 "2" at 1669.5,742.76 h16; DXF_0731 "1" at 1706.9,742.76 h16; DXF_0731 "5" at 1669.5,837.24 h16; DXF_0731 "6" at 1706.9,837.24 h16; DXF_0731 "Creat : Jacky" at 1763.1,1020 h25; DXF_0731 "Sofer Lib Information" at 1793.1,1110 h25; DXF_0731 "Ref PN: RT9293BGJ6" at 1763.1,1060 h25; DXF_0731 "Date  : 2009-09-28" at 1763.1,980 h25; DXF_0731 "Rev   : B2" at 1763.1,940 h25; DXF_0731 "Remark: update pin size by Jacky" at 1763.1,900 h25; DXF_0731 "Approved" at 1775.1,790 h35; DXF_0731 "SOT23-6" at 1752.1,655 h30
T10: DXF_0731 "3" at 1382.1,742.76 h16; DXF_0731 "2" at 1419.5,742.76 h16; DXF_0731 "1" at 1456.9,742.76 h16; DXF_0731 "5" at 1419.5,837.24 h16; DXF_0731 "6" at 1456.9,837.24 h16; DXF_0731 "4" at 1382.1,837.24 h16; DXF_0731 "Creat : Jacky" at 1513.1,1020 h25; DXF_0731 "Sofer Lib Information" at 1543.1,1110 h25; DXF_0731 "Ref PN: RT9293BGJ6" at 1513.1,1060 h25; DXF_0731 "Date  : 2009-09-28" at 1513.1,980 h25; DXF_0731 "Rev   : B2" at 1513.1,940 h25; DXF_0731 "Remark: update pin size by Jacky" at 1513.1,900 h25; DXF_0731 "Approved" at 1525.1,790 h35; DXF_0731 "SOT23-6" at 1502.1,655 h30
T11: DXF_0731 "4" at 512.1,837.24 h16; DXF_0731 "6" at 586.9,837.24 h16; DXF_0731 "1" at 586.9,742.76 h16; DXF_0731 "2" at 549.5,742.76 h16; DXF_0731 "5" at 549.5,837.24 h16; DXF_0731 "3" at 512.1,742.76 h16; DXF_0731 "Creat : Jacky" at 643.1,1020 h25; DXF_0731 "Sofer Lib Information" at 673.1,1110 h25; DXF_0731 "Ref PN: RT9293BGJ6" at 643.1,1060 h25; DXF_0731 "Date  : 2009-09-28" at 643.1,980 h25; DXF_0731 "Rev   : B2" at 643.1,940 h25; DXF_0731 "Remark: update pin size by Jacky" at 643.1,900 h25; DXF_0731 "Approved" at 655.1,790 h35; DXF_0731 "SOT23-6" at 632.1,655 h30
T12: DXF_0731 "4" at 267.1,837.24 h16; DXF_0731 "6" at 341.9,837.24 h16; DXF_0731 "1" at 341.9,742.76 h16; DXF_0731 "2" at 304.5,742.76 h16; DXF_0731 "5" at 304.5,837.24 h16; DXF_0731 "3" at 267.1,742.76 h16; DXF_0731 "Creat : Jacky" at 398.1,1020 h25; DXF_0731 "Sofer Lib Information" at 428.1,1110 h25; DXF_0731 "Ref PN: RT9293BGJ6" at 398.1,1060 h25; DXF_0731 "Date  : 2009-09-28" at 398.1,980 h25; DXF_0731 "Rev   : B2" at 398.1,940 h25; DXF_0731 "Remark: update pin size by Jacky" at 398.1,900 h25; DXF_0731 "Approved" at 410.1,790 h35; DXF_0731 "SOT23-6" at 387.1,655 h30
U1: DXF_0731 "4" at 481.74,2497.96 h16 r270; DXF_0731 "1" at 481.74,2531.43 h16 r270; DXF_0731 "3" at 428.59,2497.96 h16 r270; DXF_0731 "5" at 397.7,2521 h16 r270; DXF_0731 "2" at 428.59,2531.43 h16 r270; DXF_0731 "MP34DT01TR" at 203.08,2499.29 h30 r270; DXF_0731 "Sofer Lib Information" at 826.79,2691.42 h25 r270; DXF_0731 "Ref PN: MP34DT01TR" at 776.79,2661.42 h25 r270; DXF_0731 "Creat : Yuki" at 736.79,2661.42 h25 r270; DXF_0731 "Date  : 2012-07-31" at 696.79,2661.42 h25 r270; DXF_0731 "Rev   : A1" at 656.79,2661.42 h25 r270; DXF_0731 "Remark: D031-006A1" at 616.79,2661.42 h25 r270; DXF_0731 "OK" at 445.1,2520 h35 r270
U2: DXF_0731 "4" at 1308.43,2497.96 h16 r270; DXF_0731 "2" at 1255.28,2531.43 h16 r270; DXF_0731 "1" at 1308.43,2531.43 h16 r270; DXF_0731 "3" at 1255.28,2497.96 h16 r270; DXF_0731 "5" at 1224.39,2521 h16 r270; DXF_0731 "MP34DT01TR" at 1029.77,2499.29 h30 r270; DXF_0731 "Sofer Lib Information" at 1653.48,2691.42 h25 r270; DXF_0731 "Ref PN: MP34DT01TR" at 1603.48,2661.42 h25 r270; DXF_0731 "Creat : Yuki" at 1563.48,2661.42 h25 r270; DXF_0731 "Date  : 2012-07-31" at 1523.48,2661.42 h25 r270; DXF_0731 "Rev   : A1" at 1483.48,2661.42 h25 r270; DXF_0731 "Remark: D031-006A1" at 1443.48,2661.42 h25 r270; DXF_0731 "OK" at 1271.79,2520 h35 r270
U3: DXF_0731 "3" at 3551.7,1727.28 h16; DXF_0731 "1" at 3451.7,1727.28 h16; DXF_0731 "5" at 3601.7,2007.72 h16; DXF_0731 "6" at 3551.7,2007.72 h16; DXF_0731 "7" at 3501.7,2007.72 h16; DXF_0731 "8" at 3451.7,2007.72 h16; DXF_0731 "2" at 3501.7,1727.28 h16; DXF_0731 "4" at 3601.7,1727.28 h16; DXF_0731 "Creat : Ziv" at 3358.1,2260 h25; DXF_0731 "Sofer Lib Information" at 3328.1,2350 h25; DXF_0731 "Ref PN: ***" at 3358.1,2300 h25; DXF_0731 "Date  : 2013-01-16" at 3358.1,2220 h25; DXF_0731 "Rev   : A1" at 3358.1,2180 h25; DXF_0731 "Remark: D014-016A1" at 3358.1,2140 h25; DXF_0731 "SOIC8_1R27_5R28X7R9" at 3320.1,1585 h30; DXF_0731 "OK" at 3505.1,1875 h35; Top Overlay "4" at 3635,1730 h25; Top Overlay "5" at 3640,2005 h25; Top Overlay "8" at 3415,1995 h25
U4: DXF_0731 "B5" at 2164.59,1623.82 h16; DXF_0731 "A6" at 2194.12,1653.35 h16; DXF_0731 "D6" at 2194.12,1564.76 h16; DXF_0731 "E1" at 2046.48,1535.24 h16; DXF_0731 "A3" at 2105.54,1653.35 h16; DXF_0731 "A4" at 2135.06,1653.35 h16; DXF_0731 "A5" at 2164.59,1653.35 h16; DXF_0731 "B3" at 2105.54,1623.82 h16; DXF_0731 "B4" at 2135.06,1623.82 h16; DXF_0731 "C3" at 2105.54,1594.29 h16; DXF_0731 "C4" at 2135.06,1594.29 h16; DXF_0731 "D4" at 2135.06,1564.76 h16; DXF_0731 "H2" at 2076.01,1446.65 h16; DXF_0731 "H3" at 2105.54,1446.65 h16; DXF_0731 "H4" at 2135.06,1446.65 h16; DXF_0731 "H5" at 2164.59,1446.65 h16; DXF_0731 "G3" at 2105.54,1476.18 h16; DXF_0731 "G4" at 2135.06,1476.18 h16; DXF_0731 "F3" at 2105.54,1505.71 h16; DXF_0731 "F4" at 2135.06,1505.71 h16; DXF_0731 "E4" at 2135.06,1535.24 h16; DXF_0731 "D3" at 2105.54,1564.76 h16; DXF_0731 "H1" at 2046.48,1446.65 h16; DXF_0731 "G5" at 2164.59,1476.18 h16; DXF_0731 "A2" at 2076.01,1653.35 h16; DXF_0731 "B2" at 2076.01,1623.82 h16; DXF_0731 "A1" at 2046.48,1653.35 h16; DXF_0731 "G2" at 2076.01,1476.18 h16; DXF_0731 "E3" at 2105.54,1535.24 h16; DXF_0731 "H6" at 2194.12,1446.65 h16; DXF_0731 "E6" at 2194.12,1535.24 h16; DXF_0731 "D1" at 2046.48,1564.76 h16; DXF_0731 "B6" at 2194.12,1623.82 h16; DXF_0731 "C5" at 2164.59,1594.29 h16; DXF_0731 "C6" at 2194.12,1594.29 h16; DXF_0731 "D5" at 2164.59,1564.76 h16; DXF_0731 "E5" at 2164.59,1535.24 h16; DXF_0731 "F5" at 2164.59,1505.71 h16; DXF_0731 "F6" at 2194.12,1505.71 h16; DXF_0731 "G6" at 2194.12,1476.18 h16; DXF_0731 "B1" at 2046.48,1623.82 h16; DXF_0731 "C1" at 2046.48,1594.29 h16; DXF_0731 "C2" at 2076.01,1594.29 h16; DXF_0731 "D2" at 2076.01,1564.76 h16; DXF_0731 "E2" at 2076.01,1535.24 h16; DXF_0731 "F2" at 2076.01,1505.71 h16; DXF_0731 "F1" at 2046.48,1505.71 h16; DXF_0731 "G1" at 2046.48,1476.18 h16; DXF_0731 "Sofer Lib Information" at 1887.1,2067 h25; DXF_0731 "Ref PN: CY62137FV30LL-45BVXI" at 1917.1,2017 h25; DXF_0731 "Creat : Yuki" at 1917.1,1977 h25; DXF_0731 "Date  : 2011-04-18" at 1917.1,1937 h25; DXF_0731 "Rev   : A1" at 1917.1,1897 h25; DXF_0731 "Remark: D071-001A1" at 1917.1,1857 h25; DXF_0731 "FBGA48_0R75_6X8" at 1923.1,1215 h30; DXF_0731 "OK" at 2105.1,1550 h35; Top Overlay "A" at 1983.1,1640 h25; Top Overlay "H" at 1983.1,1435 h25; Top Overlay "1" at 2043.1,1730 h25; Top Overlay "6" at 2193.1,1730 h25